# Allegro board BeagleBone AI -64_PCB_V1.02_211119.brd (continued)
## Routing (per net, layer and track width the routed paths; a pad name or vN(x,y) marks a point on that pad's centre or on a via; arc(x,y) is an arc through that point) (continued)
USB0_DATA_P: length 89
  TOP w0.16: v1(1.31,59.99) 1.31,59.98 U19.AH6
  L12-SIGNAL w0.122: v1(36.71,10.75) 36.38,11.07 36.38,11.07 36.38,11.36 36.07,11.66 35.44,11.66 34.45,10.67 31.22,10.67 29.55,12.35 29.55,16.05 28.3,17.3 25.38,17.3 24.59,18.09 24.59,20.4 25.2,21.01 25.2,26.89 28.3,29.98 28.3,32.97 28.55,33.22 28.55,39.06 28.02,39.58 28.02,39.96 28.38,40.31 28.38,41.3 27.84,41.84 27.84,44.89 28.35,45.4 28.35,47.77 27.88,48.24 27.88,51.71 26.9,52.68 25.3,52.68 23.5,54.48 21.65,54.48 21.32,54.81 21.32,55.48 18.8,57.99 17.75,57.99 17.25,58.49 17.25,58.98 16.64,59.59 14.89,59.59 14.64,59.84 14.64,60.61 14.23,61.01 12.42,61.01 12.06,60.65 9.82,60.65 8.73,61.73 2.39,61.73 arc(2.2,61.69) 2.03,61.58 1.95,61.5 arc(1.93,61.48) 1.91,61.46 1.92,61.46 1.8,61.35 arc(1.71,61.22) 1.68,61.07 1.68,60.5 arc(1.66,60.37) 1.58,60.26 v1(1.31,59.99)
  BOTTOM w0.13: v1(36.71,10.75) 36.69,10.73 L1.4
USB0_ID: length 124.3
  TOP w0.165: v1(50.25,12.88) 49.82,12.88 49.59,12.65 44.94,12.65 44.04,13.55 U34.4
  TOP w0.229: U19.AC6 1.31,55.98 v1(1.31,55.99)
  L10-SIGNAL w0.102: v1(50.25,12.88) 50.25,15.17 50.88,15.8 50.88,23.78 51.43,24.32 51.43,33.67 52.66,34.9 52.66,38.61 51.11,40.16 51.11,43.32 51.15,43.36 51.15,43.88 49,46.03 49,51.28 50.2,52.48 50.2,57.95 50.62,58.36 50.62,61.64 49.79,62.47 49.79,63.93 49.28,64.44 48.49,64.44 47.72,65.22 43.28,65.22 42.48,64.42 41.69,64.42 38.47,61.19 36.98,61.19 36.52,61.65 32.4,61.65 31.08,60.33 30.41,60.33 29.78,60.96 29.78,61.42 28.48,62.71 21.24,62.71 20.25,63.7 14.79,63.7 14.33,64.16 11.36,64.16 10.14,65.38 10.14,65.86 9.81,66.19 7.56,66.19 7.27,65.9 7.27,65.46 6.56,64.75 5.58,64.75 5.26,64.43 5.26,62.35 4.1,61.18 3.55,61.18 3.32,60.95 3.32,60.58 3.13,60.39 3.08,60.39 2.76,60.39 2.5,60.14 2.5,59.79 2.31,59.59 1.96,59.59 1.72,59.35 1.72,56.39 v1(1.31,55.99)
USB0_RCALIB: length 6.2
  TOP w0.229: U19.AB6 0.91,54.79 v1(1.31,55.19)
  BOTTOM w0.137: 6.07,55.83 5.82,55.58 5.82,55.59 1.71,55.59 v1(1.31,55.19)
  BOTTOM w0.165: R81.1 6.17,55.93 6.07,55.83
USB0_VBUS_SOC: length 15.7
  TOP w0.229: v1(0.51,55.99) 0.11,55.59 U19.AC7
  L5-SIGNAL w0.102: v1(0.51,55.99) 0.92,56.4 0.92,60.17 1.17,60.43 1.46,60.43 1.67,60.64 1.67,60.92 2.17,61.42 5.54,61.42 6.89,62.76 8.85,62.76 v1(9.2,62.41)
  BOTTOM w0.165: v1(9.2,62.41) 9.28,62.49 R79.1 R74.1
USB1_DN1_D_N: length 9.3
  TOP w0.13: v1(-12.52,15.32) -12.27,15.08 -12.27,14.29 -11.92,13.93 -9.97,13.93 -8.87,15.03 -8.87,17.78 -8.76,17.9 U20.2
  BOTTOM w0.13: L9.1 -12.58,15.38 v1(-12.52,15.32)
USB1_DN1_D_P: length 9.2
  TOP w0.13: U20.1 -9.26,17.9 -9.14,17.78 -9.14,15.14 -9.35,14.93 -9.53,14.93 -9.59,14.98 -9.78,14.98 -9.96,14.8 -9.96,14.62 -9.9,14.56 -9.9,14.38 -10.08,14.2 -10.69,14.2 -10.82,14.33 -10.82,14.45 -10.95,14.58 -11.21,14.58 -11.34,14.45 -11.34,14.33 -11.47,14.2 -11.8,14.2 -12.01,14.4 -12.01,15.08 v1(-11.76,15.32)
  BOTTOM w0.13: L9.4 -11.73,15.36 v1(-11.76,15.32)
USB1_DN2_D_N: length 9.4
  TOP w0.13: v1(-4.67,17.81) -4.76,17.9 U20.10
  BOTTOM w0.13: v1(-4.67,17.81) -4.86,18 -4.86,18.5 -5.23,18.87 -8.96,18.87 -10.26,17.57 -10.26,16.38 -10.55,16.09 L8.1
USB1_DN2_D_P: length 9.4
  TOP w0.13: U20.9 -5.26,17.98 -5.28,17.96 v1(-5.28,17.81)
  BOTTOM w0.13: v1(-5.28,17.81) -5.12,17.96 -5.12,18.39 -5.34,18.61 -5.6,18.61 -5.73,18.48 -5.73,18.39 -5.86,18.26 -6.12,18.26 -6.25,18.39 -6.25,18.48 -6.38,18.61 -8.85,18.61 -9.17,18.28 -9.17,18.1 -9.06,17.99 -9.06,17.81 -9.25,17.62 -9.43,17.62 -9.54,17.73 -9.72,17.73 -9.99,17.46 -9.99,16.37 -9.7,16.08 L8.4
USB1_DN3_D_N: length 100.6
  TOP w0.13: U20.18 -0.38,19.77 -0.27,19.66 0.29,19.66 1.17,18.78 19.8,18.78 21.82,20.8 25.13,20.8 25.43,21.11 25.43,24.39 25.9,24.85 25.9,25.99 v1(25.65,26.24) ; v1(51.4,68.93) 51.42,68.96 L26.4
  L3-SIGNAL w0.122: v1(51.4,68.93) 51.15,69.18 51.15,69.79 50.65,70.28 49.94,70.28 49.46,69.8 49.46,67.2 51.19,65.47 51.19,61.39 49.84,60.05 49.84,51.36 47.86,49.38 47.86,33.66 42.88,28.68 38,28.68 36.56,27.23 29.62,27.23 29.52,27.13 26.17,27.13 25.89,26.84 25.89,26.48 v1(25.65,26.24)
USB1_DN3_D_P: length 100.5
  TOP w0.13: L26.1 50.57,69 v1(50.63,68.93) ; U20.17 -0.38,19.27 -0.27,19.39 0.18,19.39 1.06,18.51 19.91,18.51 21.94,20.54 25.24,20.54 25.7,21 25.7,24.28 26.16,24.74 26.16,25.99 v1(26.41,26.24)
  L3-SIGNAL w0.122: v1(50.63,68.93) 50.87,69.17 50.87,69.67 50.54,70 50.06,70 49.74,69.68 49.74,68.54 49.86,68.41 49.92,68.41 50.04,68.29 50.04,68.05 49.92,67.92 49.86,67.92 49.74,67.8 49.74,67.31 51.47,65.58 51.47,61.28 50.12,59.93 50.12,51.25 48.14,49.27 48.14,33.54 43,28.4 38.12,28.4 36.67,26.95 29.74,26.95 29.64,26.85 26.29,26.85 26.17,26.73 26.17,26.44 26.37,26.24 v1(26.41,26.24)
USB1_DN4_D_N: length 17
  TOP w0.13: L14.1 14.37,20.94 14.08,20.65 8.47,20.65 5.7,23.42 2.27,23.42 2,23.16 -0.27,23.16 -0.38,23.27 U20.25
USB1_DN4_D_P: length 17
  TOP w0.13: L14.4 14.38,20.09 14.09,20.38 8.35,20.38 5.59,23.15 2.38,23.15 2.11,22.89 -0.27,22.89 -0.38,22.77 U20.24
USB1_DRVVBUS: length 49.7
  TOP w0.165: R296.1 v1(-10.58,29.92)
  TOP w0.229: v1(1.31,51.19) 1.31,51.18 U19.U6
  L5-SIGNAL w0.102: v1(1.31,51.19) 0.95,50.83 0.95,48.7 0.6,48.34 -1.24,48.34 -1.53,48.06 -1.53,37.17 0.01,35.64 0.01,34.27 -0.3,33.96 -0.3,33.63 -0.08,33.41 -0.08,32.9 v1(-0.37,32.62)
  L10-SIGNAL w0.102: v1(-10.58,29.92) -8.01,29.92 -7.61,30.32 -7.3,30.32 -6.91,29.92 -6.6,29.92 -6.12,29.44 -4.82,29.44 -4.54,29.72 -4.54,30.38 -2.31,32.62 v1(-0.37,32.62)
  BOTTOM w0.137: v1(1.31,51.19) 0.91,51.59 0.91,54.55 1.15,54.79 5.83,54.79
  BOTTOM w0.165: 5.83,54.79 10.45,54.79 R71.2 11.63,55.95
USB1_HUB_AUTOEN#: length 8.8
  TOP w0.165: R287.2 -13.88,26.67 -13.24,26.67 R293.1 v1(-10.03,27.29) ; v1(-7.49,26.62) -7.76,26.89 U20.45
  L5-SIGNAL w0.102: v1(-7.49,26.62) -8.16,27.29 v1(-10.03,27.29)
USB1_HUB_D_N: length 165.4
  TOP w0.13: v1(-13.89,22.84) -14.12,23.07 -14.11,23.29 -13.75,23.66 -11.42,23.66 -10.81,24.27 U20.54
  TOP w0.16: v1(0.51,59.99) 0.51,59.98 U19.AH7
  L3-SIGNAL w0.122: v1(-13.89,22.84) -14.13,22.59 -14.13,21.81 -13.2,20.88 -10.74,20.88 -10.13,21.49 -10.13,23.29 -7.44,25.99 -1.47,25.99 -1.16,26.29 1.54,26.29 4.02,23.82 4.61,23.82 5.37,24.57 7.48,24.57 9.32,22.73 13.19,22.73 14.5,24.04 20.03,24.04 20.55,23.52 25.05,23.52 25.89,22.68 25.89,18.85 26.27,18.47 29.83,18.47 32.09,20.73 37.77,20.73 38.03,20.47 39.3,20.47 40.14,19.64 40.14,18.77 40.38,18.53 v1(40.38,18.5)
  L12-SIGNAL w0.122: v1(31.55,62.18) 31.31,61.94 31.31,60.24 32.95,58.6 37.01,58.6 37.42,58.19 37.42,57.18 38.59,56.01 38.59,50.12 37.12,48.64 37.12,42.44 35.84,41.16 35.84,31.99 37.57,30.25 37.57,23.42 39.6,21.39 39.6,20.5 40.14,19.97 40.14,18.74 v1(40.38,18.5)
  BOTTOM w0.13: v1(31.55,62.18) 31.32,62.41 31.32,62.79 28.59,65.53 27.26,65.53 26.27,66.53 20.64,66.53 19.5,65.39 16.15,65.39 15.83,65.71 15.83,66.17 15.52,66.47 5.91,66.47 4.89,65.45 4.89,64.37 4.44,63.93 2.57,63.93 1.96,63.32 1.96,62.72 0.91,61.67 0.91,60.38 v1(0.51,59.99)
USB1_HUB_D_P: length 165.4
  TOP w0.13: U20.53 -10.69,24.77 -11.53,23.93 -13.86,23.93 -14.38,23.41 -14.38,23.1 v1(-14.65,22.84)
  TOP w0.16: v1(1.31,60.79) 1.31,60.78 U19.AJ6
  L3-SIGNAL w0.122: v1(-14.65,22.84) -14.41,22.59 -14.41,21.69 -13.32,20.6 -10.62,20.6 -9.85,21.37 -9.85,23.18 -7.32,25.71 -1.35,25.71 -1.05,26.01 1.43,26.01 3.9,23.54 4.72,23.54 5.48,24.29 7.36,24.29 9.2,22.46 13.3,22.46 14.61,23.76 19.92,23.76 20.44,23.24 24.93,23.24 25.61,22.57 25.61,18.73 26.15,18.19 29.94,18.19 32.2,20.45 37.66,20.45 37.91,20.19 39.18,20.19 39.86,19.52 39.86,18.77 39.62,18.53 v1(39.62,18.5)
  L12-SIGNAL w0.122: v1(39.62,18.5) 39.86,18.74 39.86,19.85 39.33,20.38 39.33,21.27 37.29,23.3 37.29,30.14 35.56,31.87 35.56,41.28 36.84,42.56 36.84,48.76 38.31,50.23 38.31,54.56 38.19,54.69 38.08,54.69 37.95,54.81 37.95,55.05 38.08,55.18 38.19,55.18 38.31,55.3 38.31,55.89 37.14,57.06 37.14,58.08 36.9,58.32 32.83,58.32 31.03,60.12 31.03,61.94 v1(30.79,62.18)
  BOTTOM w0.13: v1(30.79,62.18) 31.06,62.45 31.06,62.68 30.79,62.95 30.6,62.95 30.55,62.91 30.37,62.91 30.19,63.09 30.19,63.27 30.24,63.32 30.24,63.5 28.48,65.27 27.15,65.27 26.16,66.26 20.75,66.26 19.61,65.12 16.04,65.12 15.56,65.6 15.56,66.06 15.41,66.21 6.02,66.21 5.15,65.34 5.15,64.26 4.55,63.66 2.68,63.66 2.23,63.21 2.23,62.61 2.06,62.44 2.06,62.26 2.17,62.14 2.17,61.96 1.99,61.77 1.8,61.77 1.69,61.89 1.51,61.89 1.31,61.7 v1(1.31,60.79)
USB1_HUB_FULLPWRMGMT#: length 10.9
  TOP w0.165: v1(-4.99,29.87) -4.99,28.73 -5.26,28.46 U20.40
  L10-SIGNAL w0.102: v1(-4.99,29.87) -5.38,29.87 -5.72,30.21 -6.78,30.21 -7.27,30.71 -10.59,30.71 -11.75,29.54 v1(-12.59,29.54)
USB1_HUB_GANGED: length 10.9
  TOP w0.165: U20.42 -6.26,28.54 v1(-6.83,29.11) ; v1(-12.08,28.45) -12.19,28.55 R292.1 -12.62,28.09 -12.75,27.96 -13.81,27.96 R310.2
  L10-SIGNAL w0.102: v1(-12.08,28.45) -11.02,29.52 -7.23,29.52 v1(-6.83,29.11)
USB1_HUB_PWRCTR_POL: length 12.5
  TOP w0.165: v1(-5.61,28.72) -5.76,28.57 U20.41 ; R286.2 v1(-14.48,29.01) R285.1
  L10-SIGNAL w0.102: v1(-14.48,29.01) -14.48,28.48 -14.07,28.07 -11.47,28.07 -10.26,29.29 -7.65,29.29 -7.08,28.72 v1(-5.61,28.72)
USB1_HUB_R1: length 4.4
  TOP w0.254: U20.64 -10.27,19.27 -11.3,18.25 -11.3,17.12 -11.69,16.73 R290.2
USB1_HUB_TEST: length 2.9
  TOP w0.305: U20.49 -11.09,26.77 -11.8,26.06 R294.1
USB1_HUB_VBUS: length 3.4
  TOP w0.165: U20.48 -9.26,28.61 -8.72,29.15 R297.2 -9.38,29.67 R296.2
USB1_HUB_XI: length 5.7
  TOP w0.165: U20.62 -11.18,20.27 -12.06,19.39 -12.36,19.39 R295.1 -13.06,19.16 -13.24,18.98 C350.2 -14.39,18.98 X4.1
USB1_HUB_XO: length 7.9
  TOP w0.165: X4.3 -16.79,20.61 -15.74,19.56 -14.27,19.56 C351.2 -13.2,20.16 -13.12,20.08 R295.2 -12.02,20.08 -11.33,20.77 U20.61
USB1_ID: length 7.3
  TOP w0.165: U19.AD7 0.11,56.39 v1(0.51,56.79)
  TOP w0.229: 0.51,56.78 v1(0.51,56.79)
  BOTTOM w0.137: v1(0.51,56.79) 0.73,56.79 1.13,57.19 5.74,57.19 R80.1
USB1_RCALIB: length 0.6
  TOP w0.229: v1(-1.09,56.79) -1.49,56.39 U19.AD9
USB1_SSRX_DN1_N: length 23.4
  TOP w0.13: v1(-16.58,16.9) -16.34,16.66 -16.34,16.12 -16.03,15.81 -13.44,15.81 -13.27,15.64 -13.27,13.03 -12.51,12.28 -5.68,12.28 -4.97,12.98 -4.97,15.29 -5.38,15.7 -5.94,15.7 -6.24,16 -6.24,17.35 -6.37,17.48 -6.37,17.78 -6.26,17.9 U20.7
  BOTTOM w0.13: L11.1 -16.62,16.16 -16.33,16.46 -16.33,16.65 v1(-16.58,16.9)
USB1_SSRX_DN1_P: length 23.3
  TOP w0.13: v1(-15.82,16.9) -16.07,16.65 -16.07,16.23 -15.92,16.08 -15.44,16.08 -15.21,16.31 -14.92,16.31 -14.69,16.08 -13.33,16.08 -13,15.75 -13,13.14 -12.4,12.55 -11.73,12.55 -11.6,12.68 -11.6,12.72 -11.47,12.85 -11.21,12.85 -11.08,12.72 -11.08,12.68 -10.95,12.55 -7.33,12.55 -7.2,12.68 -7.2,12.75 -7.07,12.88 -6.81,12.88 -6.68,12.75 -6.68,12.68 -6.55,12.55 -5.79,12.55 -5.24,13.1 -5.24,15.18 -5.49,15.43 -6.05,15.43 -6.51,15.89 -6.51,17.24 -6.64,17.37 -6.64,17.78 -6.76,17.9 U20.6
  BOTTOM w0.13: v1(-15.82,16.9) -16.06,16.65 -16.06,16.45 -15.77,16.16 L11.4
USB1_SSRX_DN2_N: length 24
  TOP w0.13: v1(-14.54,15.32) -14.31,15.09 -14.31,14.06 -15.09,13.27 -15.09,11.88 -14.38,11.16 -4.81,11.16 -1.73,14.24 -1.73,16.85 -2.37,17.5 -2.37,17.78 -2.26,17.9 U20.15
  BOTTOM w0.13: v1(-14.54,15.32) -14.6,15.38 L10.1
USB1_SSRX_DN2_P: length 24
  TOP w0.13: U20.14 -2.76,17.9 -2.64,17.78 -2.64,17.38 -2,16.74 -2,15.81 -2.13,15.69 -2.18,15.69 -2.31,15.56 -2.31,15.3 -2.18,15.17 -2.13,15.17 -2,15.04 -2,14.35 -4.92,11.43 -13.09,11.43 -13.22,11.56 -13.22,11.73 -13.35,11.86 -13.61,11.86 -13.74,11.73 -13.74,11.56 -13.87,11.43 -14.27,11.43 -14.83,11.99 -14.83,13.16 -14.04,13.95 -14.04,15.06 v1(-13.78,15.32)
  BOTTOM w0.13: v1(-13.78,15.32) -13.75,15.36 L10.4
USB1_SSTX_DN1_N: length 7
  TOP w0.13: C534.2 -7.9,16.03 -7.9,14.03 -7.77,13.9 -7.47,13.9 -7.34,14.02 -7.34,14.35 -7.21,14.48 -6.95,14.48 -6.82,14.35 -6.82,14.02 -6.69,13.9 -6.37,13.9 -6.22,14.05 -6.22,14.67 v1(-6.49,14.94)
  BOTTOM w0.13: v1(-6.49,14.94) L6.1
USB1_SSTX_DN1_P: length 7
  TOP w0.13: C533.2 -8.39,14.14 -7.88,13.63 -6.26,13.63 -5.95,13.94 -5.95,14.71 v1(-5.72,14.94)
  BOTTOM w0.13: v1(-5.72,14.94) -5.64,15.02 L6.4
USB1_SSTX_DN2_N: length 9
  TOP w0.13: C536.2 -3.63,16.22 v1(-3.63,15.42)
  BOTTOM w0.13: v1(-3.63,15.42) -3.88,15.67 -3.88,16.86 -4.37,17.35 -6.5,17.35 -7.04,17.9 -7.83,17.9 -8.17,17.56 -8.17,16.39 -8.46,16.1 L7.1
USB1_SSTX_DN2_P: length 9
  TOP w0.13: v1(-4.39,15.42) -4.39,16.24 C535.2
  BOTTOM w0.13: v1(-4.39,15.42) -4.15,15.66 -4.15,15.98 -4.28,16.11 -4.34,16.11 -4.44,16.21 -4.44,16.39 -4.34,16.49 -4.21,16.49 -4.15,16.55 -4.15,16.75 -4.15,16.75 -4.48,17.08 -6.61,17.08 -7.15,17.63 -7.72,17.63 -7.9,17.45 -7.9,17.24 -7.81,17.15 -7.65,17.15 -7.54,17.03 -7.54,16.83 -7.63,16.74 -7.82,16.74 -7.9,16.66 -7.9,16.44 -7.61,16.15 L7.4
USB1_VBUS_SOC: length 16.3
  TOP w0.229: v1(-0.29,56.79) -0.29,56.78 U19.AD8
  L12-SIGNAL w0.102: v1(11.61,57.61) 11.61,56.69 11.08,56.16 9.63,56.16 9.4,56.39 6.31,56.39 6.03,56.67 6.03,56.92 4.97,57.98 1.95,57.98 1.72,57.75 1.72,57.44 1.47,57.19 0.12,57.19 v1(-0.29,56.79)
  BOTTOM w0.254: R70.1 v1(11.61,57.61)
  BOTTOM w0.305: R71.1 v1(11.61,57.61)
USBA_SS_RX_N: length 166.1
  TOP w0.13: v1(-13.2,22.49) C532.1
  TOP w0.188: v1(-3.49,59.99) -3.89,59.59 U19.AH12
  L3-SIGNAL w0.122: v1(-3.49,59.99) -3.16,60.32 arc(-3.09,60.43) -3.06,60.56 -3.06,60.97 -2.97,61.23 -2.97,61.23 -2.73,61.47 -2.7,61.78 -2.25,63.16 -2.25,66.54 1.18,69.98 8.82,69.98 9.46,69.34 13.54,69.34 14.84,68.05 21.19,68.05 21.62,67.62 26.78,67.62 29.57,70.41 41.79,70.41 43.38,68.82 47.49,68.82 48.67,67.64 48.67,66.02 49.41,65.28 49.41,61.47 46.06,58.12 46.06,50.42 47.3,49.18 47.3,34.32 42.71,29.73 36.4,29.73 34.97,28.29 34.41,28.29 34.11,27.99 29.23,27.99 29.05,27.81 26.03,27.81 24.28,26.06 10.54,26.06 9.93,25.45 5.96,25.45 4.69,26.72 2.76,26.72 1.8,27.69 -2.65,27.69 -3.21,27.13 -7.73,27.13 -12.15,22.71 -12.99,22.71 v1(-13.2,22.49)
USBA_SS_RX_P: length 166.1
  TOP w0.13: v1(-13.2,23.15) C531.1
  TOP w0.188: U19.AJ11 -2.69,60.78 v1(-2.69,60.79)
  L3-SIGNAL w0.122: v1(-2.69,60.79) -2.69,61.06 arc(-2.68,61.11) -2.66,61.15 -2.46,61.34 -2.43,61.73 -1.97,63.12 -1.97,63.64 -1.85,63.76 -1.77,63.76 -1.64,63.88 -1.64,64.13 -1.77,64.25 -1.85,64.25 -1.97,64.37 -1.97,64.62 -1.85,64.74 -1.77,64.74 -1.64,64.86 -1.64,65.11 -1.77,65.23 -1.85,65.23 -1.97,65.35 -1.97,66.42 1.3,69.7 8.71,69.7 9.34,69.06 13.43,69.06 14.72,67.77 21.07,67.77 21.51,67.34 26.89,67.34 29.69,70.13 30.3,70.13 30.42,70.01 30.42,69.95 30.54,69.83 30.78,69.83 30.91,69.95 30.91,70.01 31.03,70.13 31.27,70.13 31.4,70.01 31.4,69.95 31.52,69.83 31.76,69.83 31.89,69.95 31.89,70.01 32.01,70.13 41.67,70.13 43.26,68.54 47.38,68.54 48.39,67.53 48.39,65.9 49.13,65.16 49.13,63.02 49.01,62.9 48.9,62.9 48.77,62.78 48.77,62.53 48.9,62.41 49.01,62.41 49.13,62.29 49.13,61.59 45.78,58.23 45.78,50.3 47.02,49.06 47.02,34.43 46.84,34.25 46.67,34.25 46.65,34.28 46.47,34.28 46.3,34.1 46.3,33.93 46.32,33.91 46.32,33.73 42.59,30 36.28,30 34.85,28.57 34.29,28.57 33.99,28.27 29.11,28.27 28.94,28.09 25.91,28.09 24.16,26.34 10.42,26.34 9.81,25.73 9.02,25.73 8.84,25.91 8.53,25.91 8.35,25.73 8.04,25.73 7.86,25.91 7.55,25.91 7.37,25.73 6.08,25.73 4.81,27 2.88,27 1.91,27.97 -2.76,27.97 -3.32,27.41 -7.84,27.41 -12.26,22.99 -13.04,22.99 v1(-13.2,23.15)
USBA_SS_TX_N: length 144.5
  TOP w0.13: U20.59 -10.58,21.77 v1(-10.76,21.59)
  L5-SIGNAL w0.122: v1(-10.76,21.59) -10.76,21.87 -10.45,22.18 -2.47,22.18 -2.19,22.46 2.91,22.46 4.46,20.91 17.49,20.91 21.61,16.79 32.53,16.79 33.29,16.03 36.88,16.03 38.28,17.44 38.28,18.24 v1(38.53,18.48)
  L12-SIGNAL w0.122: v1(38.53,18.48) 38.28,18.73 38.28,20.21 36.43,22.06 36.43,29.47 34.8,31.09 34.8,41.73 35.87,42.8 35.87,48.84 34.47,50.24 34.47,54.92 34.7,55.14 34.7,55.77 34.08,56.39 32.62,56.39 32.19,56.82 32.19,57.76 30.36,59.59 28.35,59.59 27.92,60.02 27.92,62.26 27.36,62.82 27.36,63.93 26.6,64.7 20.99,64.7 19.18,66.5 13.01,66.5 11.46,68.05 -0.14,68.05 -2.9,65.29 arc(-3.42,64.51) -3.6,63.59 -3.6,62.78 arc(-3.6,62.69) -3.58,62.6 -3.58,62.5 arc(-3.61,62.39) -3.67,62.29 v1(-3.83,62.14)
USBA_SS_TX_P: length 144.5
  TOP w0.13: U20.58 -10.74,22.27 -10.86,22.15 v1(-11.27,22.15)
  L5-SIGNAL w0.122: v1(-11.27,22.15) -10.94,22.13 -10.58,22.46 -2.58,22.46 -2.31,22.73 3.03,22.73 4.58,21.19 17.61,21.19 21.72,17.07 32.65,17.07 33.41,16.31 34.78,16.31 34.9,16.43 34.9,16.47 35.02,16.59 35.27,16.59 35.39,16.47 35.39,16.43 35.51,16.31 36.76,16.31 38,17.55 38,18.24 v1(37.76,18.48)
  L12-SIGNAL w0.122: v1(37.76,18.48) 38,18.73 38,20.09 36.15,21.95 36.15,29.35 34.52,30.98 34.52,41.85 35.59,42.92 35.59,48.73 34.19,50.13 34.19,55.03 34.42,55.26 34.42,55.66 33.97,56.11 32.5,56.11 31.91,56.71 31.91,57.65 30.24,59.31 28.24,59.31 27.64,59.91 27.64,62.14 27.08,62.7 27.08,63.82 26.48,64.42 20.87,64.42 19.07,66.22 12.9,66.22 11.35,67.77 2.14,67.77 1.91,67.54 1.65,67.54 1.42,67.77 1.16,67.77 0.93,67.54 0.67,67.54 0.44,67.77 -0.02,67.77 -2.7,65.09 arc(-3.16,64.4) -3.32,63.59 -3.32,62.78 arc(-3.26,62.46) -3.07,62.18 v1(-3.03,62.14)
USBC_CC1: length 12.4
  TOP w0.165: U21.1 46.56,7.45 46.27,7.75 R25.1 45.52,7.46 D47.3 45.02,6.86 v1(44.94,6.94)
  L3-SIGNAL w0.102: v1(38.31,6.35) 38.72,5.95 41.01,5.95 41.44,6.38 44.38,6.38 v1(44.94,6.94)
  BOTTOM w0.165: v1(38.31,6.35) 38.31,5.83 38.17,5.68 J5.A5 38.17,5.07
USBC_CC2: length 18.1
  TOP w0.165: U21.2 47.35,7.05 46.23,5.93 46.23,5.6 R30.1 45.84,5.85 D47.2 45.52,6.15 45.35,5.97 v1(43.11,5.97)
  L3-SIGNAL w0.102: J5.B5 37.62,2.21 41.36,2.21 41.85,2.7 41.85,3.5 40.87,4.47 40.87,5.49 41.36,5.97 v1(43.11,5.97)
USBC_DATA_CONN_N: length 9
  L3-SIGNAL w0.122: v1(37.14,5.87) 37.31,6.03 37.31,6.25 37.18,6.38 36.68,6.38 36.56,6.25 36.56,5.49 36.96,5.09 37.13,5.09 37.33,5.28 37.5,5.28 37.67,5.11 37.67,4.94 37.48,4.74 37.48,4.57 37.56,4.49 37.56,4.17 J5.B7
  BOTTOM w0.13: L1.2 35.84,7.8 36.16,7.48 36.61,7.48 36.78,7.31 D46.2 36.78,6.31 37.14,5.95 v1(37.14,5.87) 37.17,5.84 J5.A7 37.17,5.07
USBC_DATA_CONN_P: length 9.1
  L3-SIGNAL w0.122: v1(37.75,5.87) 37.59,6.03 37.59,6.37 37.3,6.66 36.56,6.66 36.28,6.37 36.28,5.37 37.28,4.37 37.28,4.17 J5.B6
  BOTTOM w0.13: L1.3 36.79,8.26 37.17,8.26 37.46,7.97 D46.3 37.75,6.87 v1(37.75,5.87) 37.67,5.79 J5.A6 37.67,5.07
USBC_SS_RX1_CONN_N: length 6
  TOP w0.13: L27.3 39.88,7.94 38.96,7.02 38.96,6.31 39.15,6.12 D44.3 39.15,5.11 39.05,5 39.05,4.17 39.3,3.91 39.3,3.62 39.02,3.34 J5.B10
USBC_SS_RX1_CONN_P: length 6
  TOP w0.13: L27.2 40.24,7.09 40.06,7.27 39.76,7.27 39.58,7.09 39.58,6.91 39.99,6.5 40.24,6.5 40.34,6.4 40.34,5.89 40.21,5.77 39.98,5.77 D44.2 39.83,5.11 39.94,5 39.94,4.09 39.61,3.76 39.61,3.6 39.82,3.4 J5.B11
USBC_SS_RX1_N: length 129.4
  TOP w0.13: v1(41.56,7.85) 41.65,7.85 41.73,7.94 L27.4
  TOP w0.188: v1(-1.89,59.99) -2.29,59.59 U19.AH10
  L3-SIGNAL w0.122: v1(27.57,36.31) 27.81,36.55 30.07,36.55 30.56,37.05 30.56,46.34 30.84,46.62 30.84,55.61 31.76,56.53 31.76,60.36 32.99,61.6 34.17,61.6 34.73,62.15 34.73,65.22 33.6,66.35 32.02,66.35 31.54,65.86 27.01,65.86 26.19,66.68 12.86,66.68 11.56,67.97 2.96,67.97 0.41,65.42 0.41,62.73 -0.59,61.72 -1.01,61.72 -1.47,61.27 -1.47,60.41 v1(-1.89,59.99)
  L12-SIGNAL w0.122: v1(27.57,36.31) 27.32,36.55 26.65,36.55 26.07,35.97 26.07,33.22 26.98,32.31 26.98,30.34 23.73,27.09 23.73,26.8 23.5,26.57 23.21,26.57 22.92,26.28 22.92,21.21 22.74,21.03 22.74,20.86 22.8,20.8 22.8,20.63 22.62,20.46 22.45,20.46 22.39,20.51 22.22,20.51 22.05,20.34 22.05,20.17 22.1,20.11 22.1,19.94 21.93,19.77 21.76,19.77 21.7,19.82 21.53,19.82 21.24,19.53 21.24,17.17 22.16,16.26 27.26,16.26 28.58,14.94 28.58,11.66 30.54,9.7 36.13,9.7 38.23,7.6 41.31,7.6 v1(41.56,7.85)
USBC_SS_RX1_P: length 129.3
  TOP w0.13: v1(41.56,7.09) L27.1
  TOP w0.188: v1(-1.09,60.79) -1.09,60.78 U19.AJ9
  L3-SIGNAL w0.122: v1(-1.09,60.79) -1.09,61.25 -0.89,61.44 -0.48,61.44 -0.09,61.83 0.08,61.83 0.2,61.71 0.38,61.71 0.55,61.88 0.55,62.06 0.43,62.18 0.43,62.35 0.69,62.61 0.69,63.25 0.84,63.4 0.84,63.65 0.69,63.81 0.69,64.42 0.84,64.57 0.84,64.82 0.69,64.97 0.69,65.3 3.08,67.69 11.45,67.69 12.74,66.4 26.08,66.4 26.89,65.58 31.65,65.58 32.14,66.07 33.48,66.07 34.45,65.1 34.45,63.61 34.33,63.49 34.04,63.49 33.92,63.36 33.92,63.12 34.04,63 34.33,63 34.45,62.87 34.45,62.27 34.06,61.88 32.87,61.88 31.48,60.48 31.48,59.12 31.35,59 31.19,59 31.07,58.88 31.07,58.63 31.19,58.51 31.35,58.51 31.48,58.39 31.48,56.64 30.56,55.73 30.56,46.74 30.28,46.46 30.28,39.24 30.13,39.09 30.13,38.84 30.28,38.69 30.28,38.03 30.13,37.87 30.13,37.62 30.28,37.47 30.28,37.16 29.95,36.83 27.81,36.83 v1(27.57,37.07)
  L12-SIGNAL w0.122: v1(27.57,37.07) 27.32,36.83 26.53,36.83 25.79,36.09 25.79,33.11 26.7,32.19 26.7,30.46 22.64,26.39 22.64,21.33 20.96,19.65 20.96,17.06 22.04,15.98 27.14,15.98 28.3,14.82 28.3,11.54 30.42,9.42 36.01,9.42 38.12,7.32 41.33,7.32 v1(41.56,7.09)
USBC_SS_RX2_CONN_N: length 3.9
  BOTTOM w0.13: L30.3 34.54,7.77 34.66,7.65 35.06,7.65 35.25,7.45 35.25,7.39 D5.3 35.48,6.88 35.67,6.69 J5.A10 35.67,5.07
USBC_SS_RX2_CONN_P: length 3.9
  BOTTOM w0.13: 35.17,5.07 J5.A11 35.17,5.78 34.8,6.15 D5.2 34.59,7.37 34.55,7.37 34.35,7.57 34.27,7.57 33.69,8.15 L30.2
USBC_SS_RX2_N: length 90
  TOP w0.16: U19.AH9 -1.09,59.98 v1(-1.09,59.99)
  TOP w0.165: v1(-1.09,59.99) -1.49,59.59 U19.AH9
  L12-SIGNAL w0.122: v1(34.46,11.3) 34.19,11.57 34.19,12.14 32.87,13.46 32.87,17.43 31.91,18.39 26.37,18.39 25.97,18.8 25.97,20.42 26.22,20.68 26.22,24.93 29.52,28.23 29.52,32.68 29.83,32.98 29.83,35.92 30.26,36.35 30.26,45.85 29.6,46.51 29.6,49.94 28.94,50.6 28.94,52 29.19,52.25 29.19,52.94 28.76,53.37 27.97,53.37 26.75,54.59 25.66,54.59 25.33,54.92 25.33,55.83 24.42,56.75 22.1,56.75 18.06,60.79 15.92,60.79 15.04,61.66 15.04,61.94 14.18,62.8 10.17,62.8 9.75,63.22 8.91,63.22 8.66,62.97 7.49,62.97 7.38,62.87 1.97,62.87 1.21,62.11 0.29,61.73 -0.1,61.73 -0.58,61.24 arc(-0.68,61.09) -0.72,60.91 -0.72,60.49 arc(-0.74,60.37) -0.81,60.27 v1(-1.09,59.99)
  BOTTOM w0.13: L30.4 34.54,10.85 34.46,10.94 v1(34.46,11.3)
USBC_SS_RX2_P: length 90
  TOP w0.16: v1(-0.29,60.79) -0.29,60.78 U19.AJ8
  TOP w0.165: v1(-0.29,60.79) -0.69,60.39 U19.AJ8
  L12-SIGNAL w0.122: v1(-0.29,60.79) -0.29,61.03 arc(-0.27,61.13) -0.21,61.21 0.02,61.45 0.35,61.45 1.37,61.87 2.09,62.59 2.48,62.59 2.66,62.41 2.96,62.41 3.15,62.59 7.5,62.59 7.6,62.69 8.77,62.69 9.02,62.94 9.63,62.94 10.05,62.52 13.07,62.52 13.2,62.4 13.2,62.28 13.32,62.16 13.56,62.16 13.69,62.28 13.69,62.4 13.81,62.52 14.06,62.52 14.76,61.82 14.76,61.54 15.8,60.51 17.95,60.51 21.99,56.47 24.3,56.47 25.05,55.71 25.05,54.8 25.54,54.31 26.64,54.31 27.86,53.09 28.64,53.09 28.91,52.82 28.91,52.37 28.66,52.11 28.66,50.48 29.32,49.82 29.32,46.39 29.98,45.73 29.98,41.58 29.86,41.46 29.77,41.46 29.65,41.33 29.65,41.09 29.77,40.97 29.86,40.97 29.98,40.84 29.98,40.6 29.86,40.48 29.77,40.48 29.65,40.36 29.65,40.11 29.77,39.99 29.86,39.99 29.98,39.87 29.98,36.47 29.55,36.03 29.55,33.1 29.24,32.79 29.24,28.35 25.94,25.05 25.94,20.79 25.69,20.54 25.69,18.68 26.26,18.11 31.79,18.11 32.59,17.31 32.59,16.93 32.47,16.8 32.29,16.8 32.16,16.68 32.16,16.44 32.29,16.31 32.47,16.31 32.59,16.19 32.59,13.35 33.92,12.03 33.92,11.53 v1(33.69,11.3)
  BOTTOM w0.13: L30.1 v1(33.69,11.3)
USBC_SS_TX1_CONN_N: length 4.1
  BOTTOM w0.13: 39.17,5.07 J5.A3 39.17,6.11 38.93,6.34 D45.2 39.67,7.89 L28.2
USBC_SS_TX1_CONN_P: length 4.1
  BOTTOM w0.13: 39.67,5.07 J5.A2 39.67,5.75 39.88,5.97 40.11,5.97 40.2,6.06 40.2,6.3 40.07,6.43 39.95,6.43 39.82,6.56 39.82,6.96 D45.3 39.61,7.32 39.74,7.45 39.98,7.45 40.38,7.04 L28.3
USBC_SS_TX1_N: length 94.3
  L12-SIGNAL w0.122: v1(-1.87,62.16) -1.61,62.42 -1.61,62.7 -1.3,63.02 -0.29,63.02 0.61,63.91 5.38,63.91 5.45,63.98 6.25,63.98 7.58,65.31 9.02,65.31 9.99,64.34 16.83,64.34 19.32,61.85 20.14,61.85 20.66,61.33 20.66,59.76 22.75,57.66 25.15,57.66 28.23,54.59 29.87,54.59 30.79,53.66 30.79,46.92 31.7,46 31.7,25.96 32.8,24.87 32.8,21.24 34.4,19.64 34.4,15.62 36.05,13.97 38.03,13.97 39.81,12.19 39.81,11.08 40.82,10.06 41.79,10.06 42.5,9.35 42.5,7.93 42.78,7.65 43.19,7.65 v1(43.39,7.85)
  BOTTOM w0.13: v1(43.39,7.85) 42.68,7.85 42.63,7.89 L28.1
USBC_SS_TX1_P: length 94.2
  L12-SIGNAL w0.122: v1(-1.07,62.16) -1.33,62.42 -1.33,62.59 -1.18,62.74 -0.17,62.74 0.04,62.95 0.21,62.95 0.26,62.89 0.44,62.89 0.61,63.06 0.61,63.24 0.55,63.29 0.55,63.47 0.72,63.63 5.5,63.63 5.56,63.7 6.37,63.7 7.69,65.03 8.91,65.03 9.87,64.06 16.71,64.06 19.21,61.57 20.03,61.57 20.38,61.22 20.38,59.64 22.64,57.38 25.04,57.38 28.11,54.31 29.75,54.31 30.51,53.55 30.51,46.8 31.42,45.89 31.42,25.85 32.52,24.75 32.52,21.12 34.12,19.52 34.12,15.51 35.93,13.69 37.91,13.69 39.53,12.08 39.53,10.96 40.71,9.78 41.67,9.78 42.22,9.23 42.22,7.81 42.66,7.37 43.11,7.37 v1(43.39,7.09)
  BOTTOM w0.13: v1(43.39,7.09) 42.65,7.09 42.61,7.04 L28.4
USBC_SS_TX2_CONN_N: length 5.7
  TOP w0.13: J5.B3 35.53,3.5 35.53,3.72 35.72,3.91 35.72,4.88 35.67,4.94 D43.2 35.67,5.64 35.79,5.77 36.4,5.77 36.58,5.95 36.58,6.17 36.46,6.3 35.82,6.3 35.69,6.43 35.69,6.9 L29.2
USBC_SS_TX2_CONN_P: length 5.7
  TOP w0.13: J5.B2 35.26,3.46 35.26,3.68 34.86,4.09 34.86,5.48 D43.3 34.75,5.85 34.75,6.79 34.75,6.85 34.75,6.98 35.71,7.94 L29.3
USBC_SS_TX2_N: length 96.1
  TOP w0.13: v1(38.34,15.33) 38.61,15.06 39,15.06 39.41,14.64 39.41,8.27 38.52,7.38 38.2,7.38 37.9,7.09 L29.1
  L12-SIGNAL w0.122: v1(3.52,66.65) 3.78,66.4 4.23,66.4 4.99,67.15 10.96,67.15 11.49,66.63 11.49,65.51 11.77,65.23 19.04,65.23 22.51,61.75 22.51,60.19 23.9,58.8 25.55,58.8 28.75,55.6 30.56,55.6 31.83,54.33 31.83,49.63 32.82,48.64 32.82,28.58 33.86,27.54 33.86,21.62 35.34,20.14 35.34,16.38 36.63,15.09 38.1,15.09 v1(38.34,15.33)